# KiCad board Main.kicad_pcb (continued)
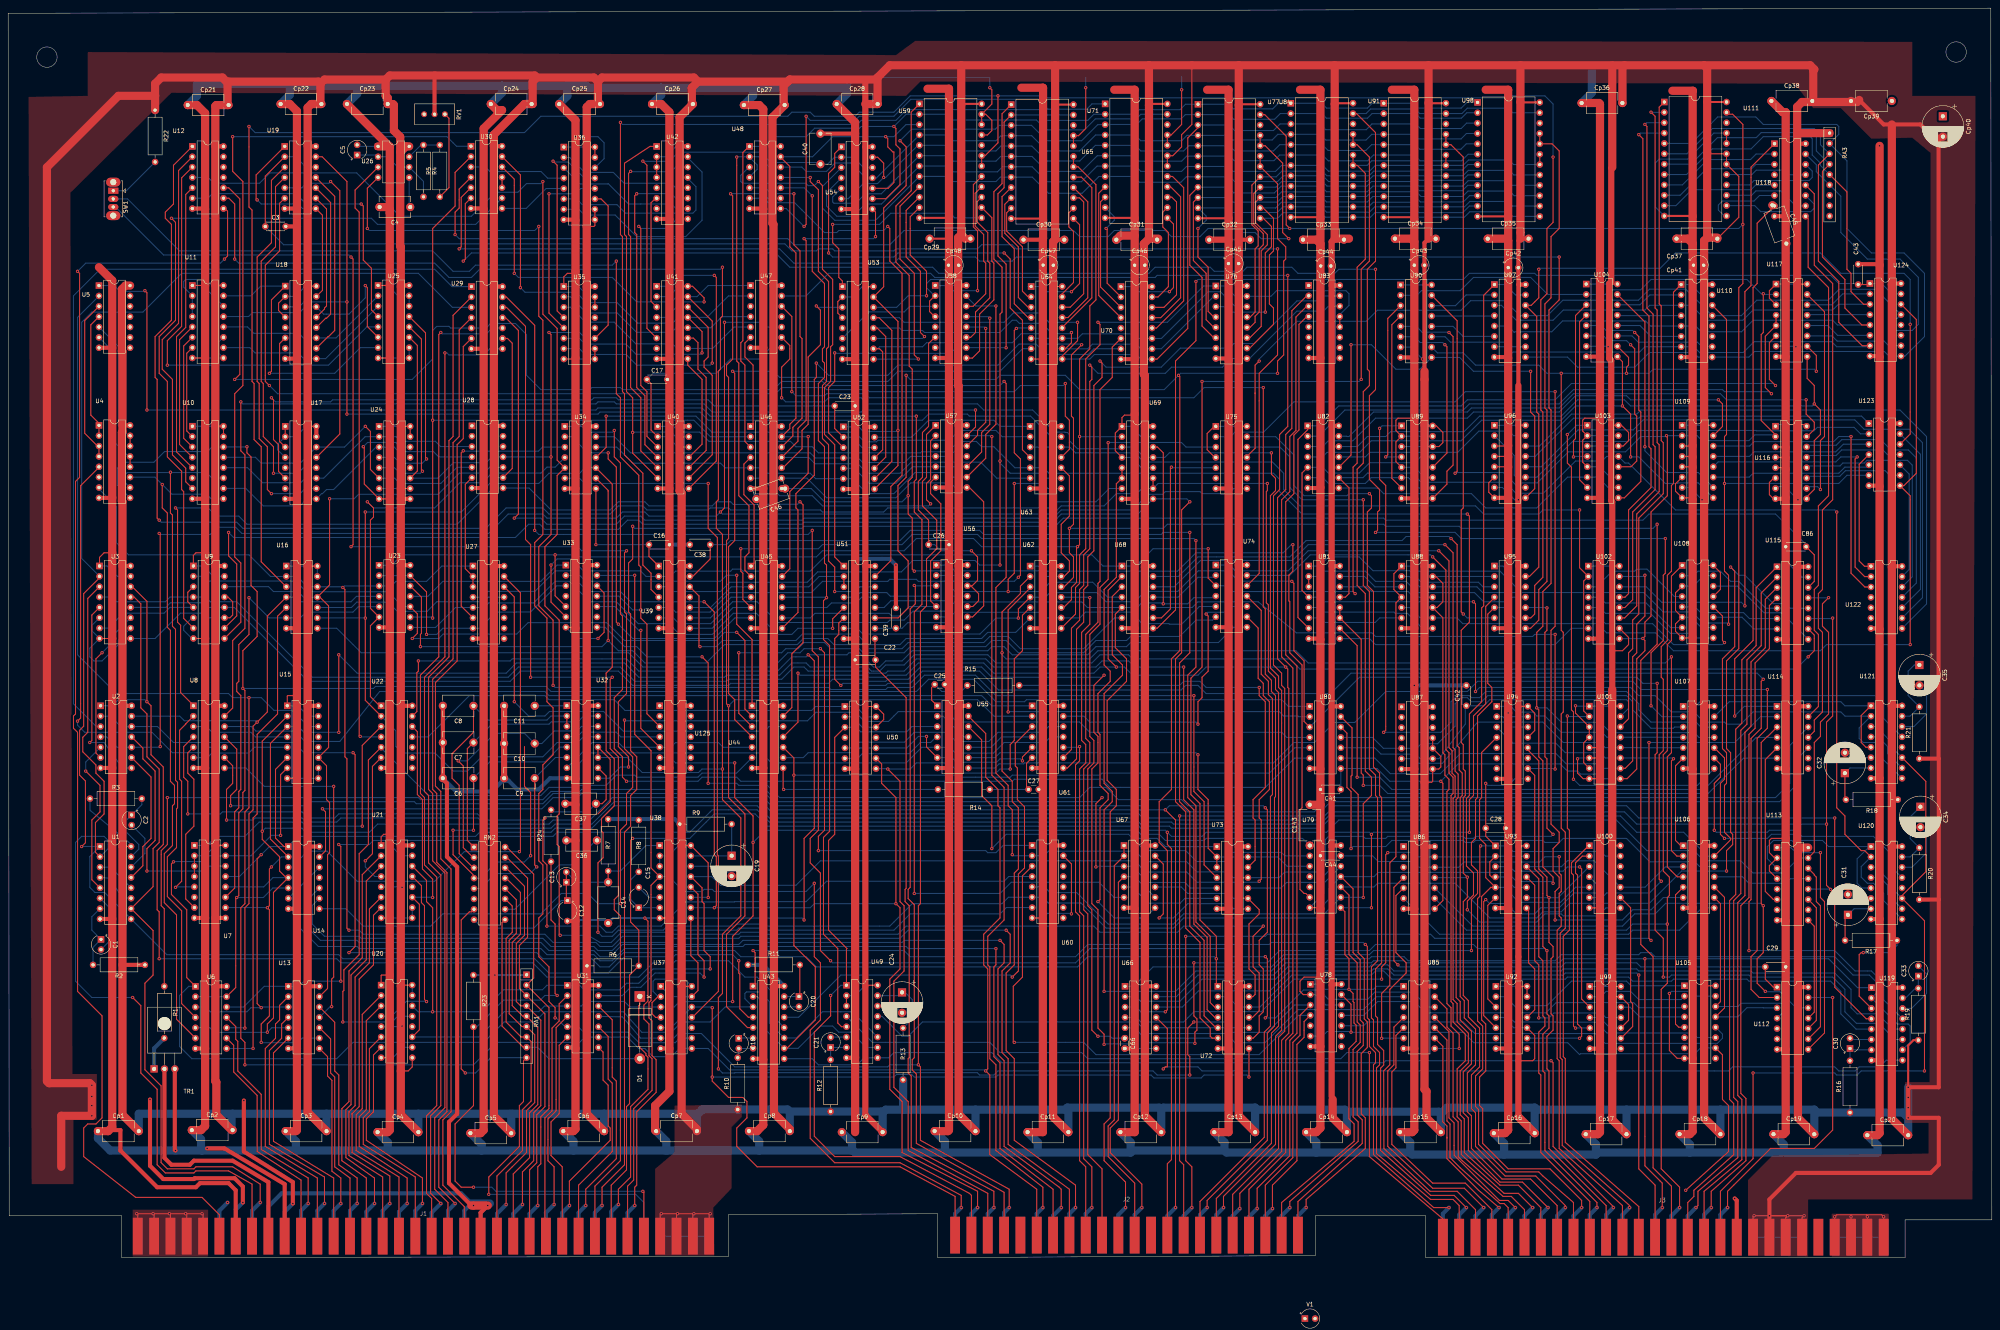
[diagram p0: board, top side]
## Routing (per net, layer and track width the routed paths; a pad name or vN(x,y) marks a point on that pad's centre or on a via; arc(x,y) is an arc through that point) (continued)
Net-(U27D-~{R}): length 99.5
  Top w0.25: U27.14 124,161.92 v1(124,136.25)
  Bottom w0.25: U44.12 186.41,130.16 185.28,129.03 150.72,129.03 145.88,133.87 132.62,133.87 131.5,132.75 127.5,132.75 v1(124,136.25)
Net-(U27D-~{S}): length 140.7
  Top w0.25: v1(125.25,99.5) 125.5,99.75 125.5,162.96 U27.15
  Bottom w0.25: v1(125.25,99.5) 125.25,99.5 111.75,99.5 104.5,92.25 85.5,92.25 78.12,99.62 73.38,99.62 70.5,96.75 70.5,89.92 U14.6
Net-(U28-Pad8): length 132.1
  Top w0.25: U44.13 192,134.83 192,148 194.75,150.75 194.75,184.5 v1(194,185.25)
  Bottom w0.25: U28.8 127.62,188.63 133,183.25 147.5,183.25 149.5,185.25 156,185.25 157,184.25 172.5,184.25 173.5,185.25 177,185.25 177.65,184.6 183.86,184.6 183.92,184.66 193.41,184.66 v1(194,185.25)
Net-(U29-Pad13): length 410.8
  Top w0.25: v1(308,73.75) 308.5,73.25 308.5,59.25 v1(308,58.75) ; v1(129,178.25) 129,228.5 122.04,235.46 U29.13 ; v1(197,178.25) 197,148.75 198.5,147.25 198.5,104.75 196.5,102.75 196.5,96.75 199,94.25 199,75.25 v1(201.5,72.75)
  Bottom w0.25: v1(308,58.75) 310.5,58.75 317.32,65.57 321.18,65.57 323.43,63.32 333.07,63.32 334.82,65.07 344.18,65.07 347.84,61.41 U85.12 ; v1(308,73.75) 300,73.75 298,75.75 265,75.75 261.5,72.25 202,72.25 v1(201.5,72.75) ; v1(197,178.25) 196,177.25 130,177.25 v1(129,178.25)
Net-(U30-Pad10): length 2.5
  Top w0.25: U30.11 U30.10
Net-(U32A-Q): length 23.7
  Bottom w0.25: U32.4 139.41,127.66 140.53,128.78 148.97,128.78 150.12,127.63 U125.4
Net-(U32A-~{R}): length 7.9
  Bottom w0.25: C11.1 136.85,135.25 U32.1
Net-(U32B-Q): length 93.1
  Top w0.25: U125.5 155,129.72 v1(155,153.75)
  Bottom w0.25: v1(155,153.75) 154.5,153.75 148.67,159.58 U33.10 ; U32.7 143.09,126.25 149.5,126.25 150.66,125.09 U125.5 162.34,125.09 163.47,126.22 174.03,126.22 175.17,125.08 U44.5
Net-(U32C-~{R}): length 24.1
  Top w0.25: C37.1 145.5,111.25 146.5,112.25 146.5,118.04 U32.10
  Bottom w0.25: 144,110.75 C37.1 142,109.25 133.5,109.25 R24.2
Net-(U32C-~{S1}): length 539.8
  Top w0.25: v1(290.5,57.75) 289,56.25 289,49.75 289.5,49.25 v1(289.5,44.75) ; v1(175,242.75) 175,230.75 174.5,230.25 174.5,217.75 174,217.25 174,185.75 173.5,185.25 173.5,178.75 175,177.25 v1(175,119.75) 175,112.25 179.5,107.75 179.5,83.75 175,79.25 175,64.75 174,63.75 v1(174,46.25) ; U12.9 54.08,259.67 55.5,258.25 v1(55.5,244.75) ; U32.11 U32.12 147.5,122.12 147.5,111.75 144.5,108.75
  Bottom w0.25: v1(174,46.25) 175,45.25 178,45.25 178.07,45.32 237.43,45.32 238,44.75 241.5,44.75 242.5,45.75 280.5,45.75 281.5,44.75 v1(289.5,44.75) ; v1(175,119.75) 170,119.75 169.13,118.88 155.37,118.88 151.67,122.58 U32.11 ; v1(55.5,244.75) 56.5,243.75 104.5,243.75 108,240.25 113.5,240.25 115.5,242.25 174.5,242.25 v1(175,242.75) ; v1(290.5,57.75) 290.5,57.75 298.5,57.75 299.92,56.33 U72.10
Net-(U32D-Q): length 201.8
  Top w0.25: U28.9 123.5,193.42 123.5,224.12 122.32,225.3 U29.9 ; U22.2 87.5,136.59 v1(87.5,156.75) v1(87.5,182.75)
  Bottom w0.25: U22.2 95,129.09 95,125.25 96.57,123.68 104.57,123.68 109,119.25 112.5,119.25 116,122.75 131,122.75 134.5,126.25 139.5,126.25 140.91,127.66 U32.13 ; U16.9 87.45,156.8 v1(87.5,156.75) ; U28.9 119.42,191.17 111,182.75 v1(87.5,182.75)
Net-(U33A-~{R}): length 41.3
  Bottom w0.25: U33.1 134.49,169.74 130.5,165.75 106.5,165.75 102.83,162.08 U23.11
Net-(U33B-~{Q}): length 261.4
  Top w0.25: v1(171.5,116.25) 171.5,145.75 v1(170,147.25) ; v1(308,110.25) 308.5,109.75 308.5,79.75 306.5,77.75 306.5,71.75 307.5,70.75 307.5,60.25 306.5,59.25 306.5,55.25 305.04,53.79 U72.9
  Bottom w0.25: U33.8 146.25,154.5 151,149.75 154,149.75 156.5,147.25 v1(170,147.25) ; v1(171.5,116.25) 178.5,116.25 179,115.75 186,115.75 189,112.75 262.5,112.75 265,115.25 269,115.25 272,112.25 287.5,112.25 289,110.75 307.5,110.75 v1(308,110.25)
Net-(U34-Pad1): length 274
  Top w0.25: v1(151.5,116.75) 150.5,117.75 150.5,122.75 148.5,124.75 148.5,137.25 150.5,139.25 150.5,157.25 150,157.75 150,194.75 148.5,196.25 v1(148.5,202.75)
  Bottom w0.25: v1(151.5,116.75) 169,116.75 170,117.75 178.5,117.75 179.5,116.75 246,116.75 246.5,117.25 268,117.25 270,115.25 308,115.25 315.17,122.42 U80.6 ; U34.1 140.51,203.74 141.93,202.32 148.07,202.32 v1(148.5,202.75)
Net-(U34-Pad11): length 119.4
  Top w0.25: U34.11 146.5,198.62 v1(146.5,206.25)
  Bottom w0.25: U63.2 243.54,201.21 242,202.75 233,202.75 230.58,200.34 213.1,200.34 212.72,199.96 209.79,199.96 207.43,202.32 172.43,202.32 168.5,206.25 v1(146.5,206.25)
Net-(U35-DOWN): length 51.4
  Top w0.25: U35.4 134.5,232.04 134.5,267.75 v1(133.5,268.75)
  Bottom w0.25: v1(133.5,268.75) 133.72,268.53 137.22,268.53 141.17,264.58 U36.13
Net-(U35-QA): length 52.1
  Bottom w0.25: U35.3 137.8,232.95 141.47,229.28 148.47,229.28 153.78,223.97 162.78,223.97 163.91,222.84 U41.10 172.59,222.84 177.84,228.09 U47.5
Net-(U35-QB): length 50.9
  Bottom w0.25: U47.4 174.88,230.63 172.17,227.92 U41.12 163.67,227.92 162.54,226.8 153.96,226.8 149.22,231.53 141.72,231.53 137.76,235.49 U35.2
Net-(U35-QC): length 142.5
  Top w0.25: v1(125.5,237.75) 125.5,265.37 U30.13 ; v1(170,221.75) 170,226.96 U41.13
  Bottom w0.25: v1(170,221.75) 169.68,221.43 153.82,221.43 151.34,223.92 141.34,223.92 139.92,225.33 U35.6 ; v1(125.5,237.75) 126.63,236.62 139.13,236.62 141.68,234.07 149.18,234.07 154.21,229.05 162.79,229.05 164.21,230.46 U41.13 171.21,230.46 176.46,235.71 U47.2
Net-(U35-QD): length 146.8
  Top w0.25: U30.12 124,264.33 v1(124,241.25) ; U41.15 172.5,229.54 v1(172.5,219.25)
  Bottom w0.25: U47.1 171.5,238.25 168.79,235.54 U41.15 163.79,235.54 162.5,234.25 154,234.25 148,240.25 125,240.25 v1(124,241.25) ; v1(172.5,219.25) 172,218.75 154,218.75 151.38,221.38 141.38,221.38 139.96,222.79 U35.7
Net-(U35-UP): length 46.2
  Top w0.25: v1(132.5,260.75) 132.5,231.5 U35.5
  Bottom w0.25: v1(132.5,260.75) 139,260.75 140.29,262.04 U36.12
Net-(U36-DOWN): length 23.9
  Bottom w0.25: U30.3 116.92,267.33 118.04,266.2 130.54,266.2 132.17,264.58 U36.4
Net-(U36-QA): length 34.3
  Bottom w0.25: 166.25,257.13 163.62,257.13 162.5,258.25 155,258.25 155,258.25 152,258.25 147,263.25 146.91,263.17 140.09,263.17 U36.3
Net-(U36-QB): length 33.2
  Bottom w0.25: U36.2 137.59,269.66 141.25,266 148.25,266 150.91,263.33 162.41,263.33 163.54,262.21 166.25,262.21
Net-(U36-QC): length 43.1
  Bottom w0.25: U36.6 139.25,259.5 140.66,258.08 149.16,258.08 151.25,256 167.75,256 168.5,256.75 168.5,262.5 166.25,264.75
Net-(U36-QD): length 55.4
  Bottom w0.25: 166.25,269.83 170,266.08 170,254.25 166,250.25 154,250.25 148.71,255.55 141.21,255.55 139.79,256.96 U36.7
Net-(U36-UP): length 17.1
  Bottom w0.25: U30.8 126.92,257.17 131.79,262.04 U36.5
Net-(U37A-~{R}): length 351.5
  Top w0.25: U22.13 100.12,133.84 100.12,143.38 100.5,143.75 v1(100.5,146.25) ; v1(196,147.75) 197.5,146.25 197.5,105.25 195,102.75 v1(195,82.75) ; U38.9 167.25,74 169,72.25 169,65.46 U37.13
  Bottom w0.25: v1(100.5,146.25) 123,146.25 123.5,146.75 151.5,146.75 154.5,143.75 188.5,143.75 192,147.25 195.5,147.25 v1(196,147.75) 205.5,147.75 206,148.25 208.5,148.25 212,144.75 213.5,144.75 215,146.25 219,146.25 221.5,148.75 240,148.75 241,149.75 244,149.75 246,147.75 264.5,147.75 266.5,149.75 274,149.75 275,150.75 296.5,150.75 300.26,154.51 U74.8 ; v1(195,82.75) 194.53,83.22 U38.9 ; U37.13 162.42,63.96 U37.1
Net-(U38A-Cext): length 11
  Bottom w0.25: U38.14 174.83,95.92 C19.2
Net-(U38A-RCext): length 17.8
  Bottom w0.25: U38.15 177.21,98.46 C19.1 R9.2
Net-(U38B-Cext): length 6.1
  Bottom w0.25: C15.2 156.95,88.3 U38.6
Net-(U38B-RCext): length 15.2
  Bottom w0.25: U38.7 154.51,85.76 C15.1 152.5,87.75 152.5,92.55 154.25,94.3
Net-(U38B-~{Q}): length 52
  Top w0.25: U38.12 169,89.09 169,74.25 170.5,72.75 v1(170.5,68.75)
  Bottom w0.25: U31.13 150.45,64.2 152.5,66.25 155,66.25 158.5,69.75 169.5,69.75 v1(170.5,68.75)
Net-(U39A-CP): length 33
  Top w0.25: U39.1 157,171.88 C16.1 ; U34.8 v1(144,174.75)
  Bottom w0.25: C16.1 v1(144,174.75)
Net-(U39B-MR): length 101.6
  Top w0.25: U39.12 169.25,162.17 169.25,150 v1(169.5,149.75)
  Bottom w0.25: v1(169.5,149.75) 173.5,149.75 175,151.25 193,151.25 194.59,152.84 207.91,152.84 210.5,150.25 218.5,150.25 220,151.75 238.5,151.75 240,153.25 246.84,153.25 U62.6
Net-(U39B-Q1): length 17.1
  Bottom w0.25: U39.10 172.09,159.34 177.16,164.41 U45.3
Net-(U39B-Q2): length 17.1
  Bottom w0.25: U39.9 172.05,156.8 177.12,161.87 U45.4
Net-(U39B-Q3): length 264.8
  Top w0.25: v1(179.5,173.75) 179.5,168.25 180,167.75 180,161.33 U45.5 ; U72.3 295.59,61.41 294.5,62.5 294.5,78.75 291,82.25 291,110.75 289,112.75 289,142.75 291,144.75 v1(291,175.75)
  Bottom w0.25: U45.5 177.58,159.33 172.51,154.26 U39.8 ; v1(291,175.75) 290.5,176.25 238.5,176.25 237.5,177.25 221.5,177.25 219,174.75 199.5,174.75 198.5,173.75 v1(179.5,173.75)
Net-(U40A-MR): length 60
  Top w0.25: U40.2 157.5,202.84 157.5,214.25 C17.1
  Bottom w0.25: U40.2 161.54,201.21 164.08,198.67 U40.12 ; C17.1 158,216.75 173.5,216.75 177,220.25 184,220.25 186.76,223.01 U47.8
Net-(U40A-Q0): length 68.9
  Top w0.25: v1(154.5,252.75) 155,252.25 155,213.75 156.5,212.25 156.5,201.3 U40.3
  Bottom w0.25: v1(154.5,252.75) 155,252.25 161.5,252.25 163.84,254.59 166.25,254.59
Net-(U40A-Q1): length 79.9
  Top w0.25: v1(154,260.75) 153.5,260.25 153.5,251.25 154,250.75 154,213.25 156,211.25 156,199.26 U40.4
  Bottom w0.25: 166.25,259.67 163.58,259.67 162.46,260.8 154.04,260.8 v1(154,260.75)
Net-(U40A-Q2): length 90.1
  Top w0.25: U40.5 155,197.72 155,210.75 152.5,213.25 152.5,250.25 152,250.75 152,265.75 v1(152.5,266.25)
  Bottom w0.25: 166.25,267.29 163.54,267.29 162.41,266.17 152.59,266.17 v1(152.5,266.25)
Net-(U40A-Q3): length 103.7
  Top w0.25: 158.63,272.37 157.25,272.37 151,268.25 151,250.75 151.5,250.25 151.5,212.25 153,210.75 v1(153,202.25) 153,197.18 U40.6
  Bottom w0.25: v1(153,202.25) 153.09,202.34 162.41,202.34 163.54,201.21 U40.13
Net-(U40B-Q0): length 27
  Top w0.25: U40.11 170,199.38 170,215.25 166.5,218.75 U41.9
Net-(U40B-Q1): length 36.2
  Top w0.25: U40.10 171,197.84 171,215.75 169,217.75 169,224.25 167.87,225.38 U41.11
Net-(U40B-Q2): length 47.6
  Top w0.25: U41.14 171.5,228 171.5,220.75 170.5,219.75 170.5,218.25 172.5,216.25 172.5,196.8 U40.9
Net-(U40B-Q3): length 70.5
  Top w0.25: v1(173,240.75) 173.5,240.25 173.5,195.26 U40.8
  Bottom w0.25: U41.1 161.83,238.08 164.5,240.75 v1(173,240.75)
Net-(U41-Ia=b): length 27.7
  Top w0.25: 158.63,259.67 157.5,258.54 157.5,234.38 U41.3
Net-(U43A-Cext): length 3.7
  Bottom w0.25: U43.14 193.7,61.45 C20.2
Net-(U43A-Q): length 125.7
  Top w0.25: U61.3 246.75,126.03 246.75,120.5 247.25,120 247.25,112.25 249,110.5 249,95.5 247.5,94 247.5,70.25 v1(246,68.75)
  Bottom w0.25: v1(246,68.75) 245.5,69.25 204,69.25 193.66,58.91 U43.13
Net-(U43A-RCext): length 11.5
  Top w0.25: C20.1 193.95,64.2 R11.2
  Bottom w0.25: C20.1 193.74,63.99 U43.15
Net-(U43B-Cext): length 3.5
  Bottom w0.25: U43.6 179.08,53.83 C18.1
Net-(U43B-Q): length 302.1
  Top w0.25: v1(177,260.75) 177.5,260.25 177.5,220.25 176,218.75 176,216.25 176.5,215.75 176.5,176.25 176,175.75 176,135.75 v1(176.5,135.25) 176.5,112.75 180.5,108.75 180.5,83.75 176,79.25 176,61.5 181.13,56.37 U43.5
  Bottom w0.25: v1(177,260.75) 177.04,260.8 184.96,260.8 186.08,259.67 189.12,259.67 ; v1(176.5,135.25) 178,136.75 237.5,136.75 241.55,132.7 U61.2
Net-(U43B-RCext): length 5.9
  Bottom w0.25: R10.2 179,49.25 C18.2 182.46,51.25 U43.7
Net-(U44-Pad3): length 144.5
  Top w0.25: v1(179,148.25) 179,133.41 U44.3
  Bottom w0.25: v1(179,148.25) 189.5,148.25 190.5,149.25 193.5,149.25 195,150.75 200,150.75 201.5,149.25 208.5,149.25 209.5,148.25 219.5,148.25 221,149.75 239.5,149.75 241,151.25 244.5,151.25 247.5,148.25 263.5,148.25 266.5,151.25 274,151.25 275,152.25 287,152.25 291,156.25 295.08,156.25 U74.6
Net-(U45-Pad1): length 28.7
  Top w0.25: U45.1 182.75,170.24 182.75,184.5 180.25,187 180.25,194.49 U46.4
Net-(U45-Pad9): length 74.3
  Top w0.25: U57.6 226,190.05 226,187.25 228.5,184.75 228.5,173.25 226,170.75 226,160.96 U56.5
  Bottom w0.25: U45.9 196.54,156.79 197.66,157.91 215.84,157.91 216.5,157.25 218.5,157.25 220.83,159.58 U56.5
Net-(U46-Pad1): length 23.5
  Top w0.25: U46.1 182.5,204.36 182.5,218.75 180.5,220.75 180.5,224.17 U47.6
Net-(U46-Pad6): length 65.2
  Top w0.25: U57.2 226,200.21 226,190.75 225,189.75 225,185.75 v1(226,184.75)
  Bottom w0.25: v1(226,184.75) 225.5,184.25 199.5,184.25 197,186.75 189,186.75 184.71,191.04 U46.6
Net-(U46-Pad9): length 85.5
  Top w0.25: U57.8 235.49,188.76 239,185.25 239,159.75 236.29,157.04 U56.9
  Bottom w0.25: U57.8 231.99,188.76 230.87,189.88 221.13,189.88 217.5,186.25 200.5,186.25 195.71,191.04 U46.9
Net-(U46-Pad12): length 76.6
  Top w0.25: v1(192.5,260.75) 192.5,248.25 194,246.75 194,225.75 194.5,225.25 194.5,205.75 192.25,203.5 192.25,201.41 U46.12
  Bottom w0.25: v1(192.5,260.75) 192.46,260.8 186.96,260.8 185.54,262.21 181.5,262.21
Net-(U49A-Cext): length 6.7
  Bottom w0.25: U49.14 217.33,61.67 C24.2
Net-(U49A-Q): length 139.1
  Bottom w0.25: U49.13 214.12,59.13 219,54.25 220.5,54.25 224,57.75 270,57.75 270,57.75 276.5,57.75 279.33,54.92 298.33,54.92 300.58,52.67 307.92,52.67 316.04,60.79 332.04,60.79 335.2,63.95 U85.2
Net-(U49A-RCext): length 17.5
  Bottom w0.25: U49.15 218.21,64.21 C24.1 219.75,65 221.5,63.25 221.5,58.5 R13.2
Net-(U49B-Cext): length 3.9
  Bottom w0.25: U49.6 201.55,54.05 C21.2
Net-(U49B-RCext): length 6.9
  Bottom w0.25: U49.7 201.51,51.51 C21.1 R12.2
Net-(U50A-Q): length 57.5
  Bottom w0.25: U61.12 254.91,130.16 253.5,128.75 242.5,128.75 240.25,126.5 232.25,126.5 230,128.75 222,128.75 219.58,126.34 208.59,126.34 207.17,124.92 U50.5
Net-(U50A-~{Q}): length 24.8
  Bottom w0.25: U50.6 208.13,122.38 209.25,123.5 220.75,123.5 223.5,126.25 226,126.25 227.37,127.62 U55.4
Net-(U50A-~{R}): length 120.8
  Bottom w0.25: U50.13 210.21,132.54 207.67,135.08 U50.1 197.83,135.08 196.87,134.12 151.13,134.12 148.5,136.75 132.5,136.75 131.5,137.75 113,137.75 102.88,127.63 U22.11
Net-(U50B-~{S}): length 69.8
  Top w0.25: U61.5 248.5,122.7 v1(248.5,121.75) ; U55.6 225,125.17 v1(225,127.75)
  Bottom w0.25: U55.6 231.21,122.54 232.33,121.41 242.17,121.41 243,122.25 248,122.25 v1(248.5,121.75) ; U44.9 194.79,122.54 196,123.75 207.5,123.75 208.67,124.92 U50.10 220.17,124.92 223,127.75 v1(225,127.75)
Net-(U51A-Q): length 23.5
  Bottom w0.25: U56.4 216.13,162.12 215.25,163 208.75,163 207.62,161.87 U51.4
Net-(U51A-~{R}): length 122.7
  Top w0.25: U51.1 202.5,171.74 202.5,199.25 200,201.75 200,213.25 201.5,214.75 201.5,223.25 202,223.75 202,239.75 199.5,242.25 199.5,262.75 v1(198.5,263.75)
  Bottom w0.25: v1(198.5,263.75) 197.5,262.75 196,262.75 195.41,263.33 179.91,263.33 179.5,263.75 179.5,265.29 181.5,267.29
Net-(U51A-~{S1}): length 18.7
  Top w0.25: U51.2 U51.3
  Bottom w0.25: U51.2 198.7,166.95 196.16,164.41 U45.12
Net-(U51C-~{R}): length 23.7
  Bottom w0.25: U51.10 C39.1 219,154.25 220.38,155.62 230.12,155.62 231.25,154.5 U56.8
Net-(U51C-~{S1}): length 389.2
  Top w0.25: v1(311,216.75) 311,219.75 312.5,221.25 312.5,244.25 313,244.75 313,247.75 311,249.75 311,263.19 U77.18 U77.19 ; v1(283.5,60.25) 284,60.75 284,99.75 282,101.75 282,111.75 285,114.75 285,146.75 287.05,148.8 287.05,215.92 v1(286.72,216.25) ; U51.11 218.04,156.79 220.5,159.25 220.5,170.75 218,173.25 218,189.25 220,191.25 v1(220,216.25)
  Bottom w0.25: U66.3 276.34,61.41 277.5,60.25 v1(283.5,60.25) ; v1(220,216.25) 221,215.25 242,215.25 243,216.25 259,216.25 262.5,212.75 283.22,212.75 v1(286.72,216.25) 287.22,216.75 v1(311,216.75)
Net-(U51C-~{S2}): length 23.8
  Bottom w0.25: U56.11 231.37,162.12 230.25,161 216.25,161 214.58,159.33 U51.12
Net-(U51D-Q): length 23.8
  Bottom w0.25: U45.10 200.58,159.33 201.71,160.46 207.71,160.46 209.12,161.87 U51.13
Net-(U51D-~{R}): length 123
  Top w0.25: v1(196.5,264.75) 196.5,263.75 198.5,261.75 198.5,241.75 201,239.25 201,223.25 200.5,222.75 200.5,214.75 199.5,213.75 199.5,200.75 201,199.25 201,170.75 202.5,169.25 v1(202.5,163.25)
  Bottom w0.25: 189.12,264.75 v1(196.5,264.75) ; v1(202.5,163.25) 207.5,163.25 208.66,164.41 U51.14
Net-(U51D-~{S}): length 128.1
  Top w0.25: U51.15 216.25,170.83 216.25,189 219,191.75 219,241.25 216,244.25 216,252.25 v1(215.5,252.75)
  Bottom w0.25: v1(215.5,252.75) 214.5,251.75 203.5,251.75 203,251.25 200,251.25 192.71,258.55 186.21,258.55 185.08,259.67 181.5,259.67
Net-(U52A-CP): length 258.4
  Top w0.25: U52.8 218,194.13 v1(218,202.75) 218,229.46 U53.15 214.5,237.96 214.5,257.25 220,262.75 220,272.25 v1(218.5,273.75)
  Bottom w0.25: U52.1 208.38,203.62 209.5,202.5 212.72,202.5 212.72,202.5 217.75,202.5 v1(218,202.75) ; v1(218.5,273.75) 221.33,276.58 241.83,276.58 242.78,277.53 U65.3 250.72,277.53 254.5,273.75 263,273.75 266.95,277.7 U71.3 268.81,277.75 276.5,277.75 277.87,279.12 287.37,279.12 288.4,280.15 U77.2 299.1,280.15 300.23,279.02 310.27,279.02 311.66,280.41 U84.2 321.84,280.41 322.96,279.28 333.04,279.28 334.16,280.41 U91.2 344.84,280.41 345.96,279.28 356.04,279.28 357.36,280.61 U98.2
Net-(U52A-Q0): length 246.6
  Top w0.25: v1(244.5,223) 244.5,243.5 242.5,245.5 242.5,260.75 244,262.25 244,278.32 U65.2 ; U52.3 201,202.17 201,213.25 202.5,214.75 v1(202.5,221.75)
  Bottom w0.25: U65.2 253.18,280.07 254.5,278.75 264.5,278.75 265.99,280.24 U71.2 275.99,280.24 277.12,281.37 287.12,281.37 288.44,282.69 U77.1 299.06,282.69 300.19,281.56 309.81,281.56 311.2,282.95 U84.1 321.8,282.95 323,281.75 333,281.75 334.2,282.95 U91.1 344.3,282.95 345.5,281.75 356,281.75 357.4,283.15 U98.1 ; v1(202.5,221.75) 202.62,221.63 230.88,221.63 232.26,223.01 234.62,223.01 ; v1(244.5,223) 244.46,223.04 U58.10
Net-(U52A-Q1): length 130.9
  Top w0.25: U57.12 237.5,201.55 237.5,202.75 239.5,204.75 v1(239.5,227.75)
  Bottom w0.25: U34.13 148.55,201.2 152.5,197.25 196.5,197.25 197.75,196 U52.4 208.25,196 209.38,194.88 219.62,194.88 221.13,196.38 U57.4 230.63,196.38 233.17,198.92 U57.12 ; 234.62,228.09 239.16,228.09 v1(239.5,227.75)
Net-(U52A-Q2): length 78.2
  Top w0.25: v1(240.5,230.25) 240.5,204.25 238.5,202.25 238.5,197.47 U57.10
  Bottom w0.25: U52.5 207.29,193.46 210.96,189.79 217.55,189.79 221.59,193.84 U57.5 U57.10 ; 234.62,230.63 240.12,230.63 v1(240.5,230.25)
Net-(U52A-Q3): length 151.5
  Top w0.25: U57.9 239.5,195.93 239.5,201.75 242,204.25 v1(242,233.25)
  Bottom w0.25: v1(242,233.25) 237.08,233.25 234.62,235.71 ; U34.12 149.09,198.66 153.03,194.72 174.53,194.72 175.67,193.58 U46.5 184.67,193.58 186,192.25 196.5,192.25 197.83,190.92 U52.6 206.83,190.92 210.5,187.25 217,187.25 222.18,192.43 230.32,192.43 231.45,191.3 U57.9
Net-(U52B-CP): length 40.5
  Bottom w0.25: U63.1 243,203.75 241.5,205.25 225.5,205.25 221.33,201.08 U52.13
Net-(U52B-Q0): length 129.6
  Top w0.25: U53.10 213.49,222.76 214.25,222 214.25,198 U52.11
  Bottom w0.25: 303,233.08 300.67,233.08 297,236.75 294,236.75 282.55,225.3 U70.11 277.05,225.3 277,225.25 275.82,226.43 263.18,226.43 262.08,225.33 253.92,225.33 252.8,226.45 248.2,226.45 246,224.25 225,224.25 224,223.25 213.5,223.25 213,222.75 212.99,222.76 U53.10
Net-(U52B-Q1): length 139.2
  Top w0.25: v1(260.5,226.75) 260.5,224.25 259.04,222.79 257.5,222.79 ; U53.12 212.91,227.84 215,225.75 215,196.21 U52.10
  Bottom w0.25: v1(260.5,226.75) 260.2,226.45 255.8,226.45 253.25,229 247.75,229 247,229.75 246,229.75 243,226.75 224.5,226.75 224,227.25 219,227.25 218.41,227.84 U53.12 ; 257.5,222.79 259.96,222.79 260,222.75 264.5,222.75 265.63,223.88 276.37,223.88 277.49,222.76 U70.10 282.52,222.76 295.38,235.62
Net-(U52B-Q2): length 265.5
  Top w0.25: U53.13 213.37,230.38 216.5,227.25 216.5,195.17 U52.9 ; U70.9 281.47,220.22 289,227.75 289,274.43 291.5,276.93 U77.3 ; 257.5,220.25 262,224.75 v1(262,229.25)
  Bottom w0.25: U98.3 357.32,278.07 356,276.75 346,276.75 344.88,277.87 U91.3 334.12,277.87 332.7,276.45 322.8,276.45 321.38,277.87 U84.3 311.62,277.87 310,276.25 300.5,276.25 299.14,277.61 U77.3 ; U70.9 277.53,220.22 276.4,221.34 266.1,221.34 265,220.25 257.5,220.25 ; U53.13 218.37,230.38 219.5,229.25 244,229.25 246.29,231.53 252.71,231.53 255,229.25 v1(262,229.25)
Net-(U53-B0): length 57.1
  Top w0.25: v1(223,220.25) 222,221.25 222,241.25 218.5,244.75 218.5,257.71 U59.9
  Bottom w0.25: U53.9 222.97,220.22 v1(223,220.25)
Net-(U53-B1): length 50.1
  Top w0.25: U59.10 220,256.67 220,245.25 223.5,241.75 223.5,226.75 v1(224.5,225.75)
  Bottom w0.25: U53.11 224.05,225.3 v1(224.5,225.75)
Net-(U53-B2): length 38.4
  Top w0.25: v1(225,235.75) 225,241.75 221,245.75 221,255.13 U59.11
  Bottom w0.25: v1(225,235.75) 220.5,235.75 217.67,232.92 U53.14
Net-(U53-B3): length 54.3
  Top w0.25: U53.1 204.38,239.37 203.5,240.25 203.5,247.25 202,248.75 v1(202,253.25)
  Bottom w0.25: v1(202,253.25) 213.5,253.25 216.22,255.97 230.77,255.97 231.9,254.85 U59.13
Net-(U53-Ia=b): length 50.7
  Top w0.25: v1(198,233.25) 199,232.25 199,223.75 196,220.75 196,204.25 194.5,202.75 194.5,198.25 189.83,193.58 U46.10
  Bottom w0.25: v1(198,233.25) 198.33,232.92 U53.3
Net-(U53-Oa=b): length 25.9
  Bottom w0.25: 227,233.17 220.92,233.17 219.55,231.8 210.88,231.8 U53.6
Net-(U54A-CP): length 123.9
  Top w0.25: v1(244,246.25) 245.5,244.75 245.5,232.75 248.5,229.75 248.5,198.01 U63.4 ; v1(201,246.25) 201,265.75 202.5,267.25 202.5,270.62 U54.1
  Bottom w0.25: v1(201,246.25) 202,245.25 217,245.25 218,246.25 v1(244,246.25)
Net-(U54A-Q0): length 186.7
  Bottom w0.25: U98.8 357.62,265.37 356.3,264.05 345.7,264.05 344.58,265.17 U91.8 334.42,265.17 333,263.75 323.5,263.75 323.5,263.75 322.08,265.17 U84.8 312.42,265.17 311,263.75 300.5,263.75 299.34,264.91 U77.8 288.66,264.91 287.33,263.58 277.17,263.58 275.75,265 U71.8 267.25,265 263.12,260.88 254.88,260.88 250.92,264.83 U65.8 243.08,264.83 242,263.75 231.5,263.75 230.24,265.01 U59.8 212.5,254.25 202.5,254.25 199.5,257.25 199.5,262.54 U54.3
Net-(U54A-Q1): length 182.6
  Bottom w0.25: U98.7 357.66,267.91 356.33,266.58 345.67,266.58 344.54,267.71 U91.7 334.96,267.71 333.55,266.3 323.55,266.3 323.5,266.25 322.04,267.71 U84.7 311.96,267.71 310.5,266.25 300,266.25 298.8,267.45 U77.7 288.7,267.45 287.5,266.25 277.5,266.25 276.21,267.54 U71.7 266.79,267.54 262.95,263.7 254.55,263.7 250.88,267.37 U65.7 243.62,267.37 242.38,266.13 231.62,266.13 230.2,267.55 U59.7 213.96,258.25 210,258.25 207,255.25 203,255.25 200.5,257.75 200.5,261 U54.4
Net-(U54A-Q2): length 175.9
  Bottom w0.25: U54.5 202,259.96 202,258.75 202.32,258.43 207.68,258.43 210,260.75 213.92,260.75 U59.6 230.16,270.09 231.5,268.75 242,268.75 243.16,269.91 U65.6 250.84,269.91 254.5,266.25 263,266.25 266.83,270.08 U71.6 275.67,270.08 277,268.75 287.5,268.75 288.74,269.99 U77.6 299.26,269.99 300.38,268.87 310.12,268.87 311.5,270.25 U84.6 322,270.25 323.42,268.83 333.08,268.83 334.5,270.25 U91.6 344.5,270.25 345.92,268.83 356.08,268.83 357.7,270.45 U98.6
Net-(U54A-Q3): length 176.8
  Top w0.25: v1(214.5,264.75) 214.5,268.25 213.04,269.71 U54.13
  Bottom w0.25: U98.5 357.24,272.99 355.92,271.67 345.83,271.67 344.71,272.79 U91.5 334.04,272.79 332.62,271.38 323.38,271.38 321.96,272.79 U84.5 311.54,272.79 310,271.25 300.5,271.25 299.22,272.53 U77.5 289.28,272.53 288,271.25 277.5,271.25 276.13,272.62 U71.5 266.37,272.62 262.54,268.78 254.46,268.78 250.8,272.45 U65.5 243.2,272.45 242,271.25 231.5,271.25 230.12,272.63 U59.5 222.88,272.63 215,264.75 v1(214.5,264.75) 213,263.25 209.5,263.25 205.8,259.55 U54.6
Net-(U54B-Q0): length 310.2
  Top w0.25: U45.2 180.5,168.45 180.5,171.75 181.5,172.75 181.5,184.25 179,186.75 179,219.25 178.5,219.75 v1(178.5,269.75)
  Bottom w0.25: U98.4 357.28,275.53 355.95,274.2 345.55,274.2 344.42,275.33 U91.4 334.08,275.33 332.67,273.92 322.83,273.92 321.42,275.33 U84.4 311.08,275.33 309.69,273.94 299.81,273.94 298.68,275.07 U77.4 288.82,275.07 287.5,273.75 277.5,273.75 276.09,275.16 U71.4 266.41,275.16 262.5,271.25 254.5,271.25 250.76,274.99 U65.4 243.24,274.99 242,273.75 231.5,273.75 231.5,273.75 230.08,275.17 U59.4 212.72,264.63 U54.11 210.12,264.63 206.46,268.3 202.54,268.3 200.5,266.25 195.5,266.25 194.46,267.29 186.46,267.29 183.92,269.83 181.5,269.83 ; 181.5,269.83 183.5,267.83 183.5,266.75 181.5,264.75 ; 181.5,269.83 178.58,269.83 v1(178.5,269.75)
Net-(U54B-Q1): length 170.6
  Top w0.25: v1(196,201.25) 196,192.25 191.5,187.75 191.5,168.83 U45.13 ; v1(215,274.75) 215.5,274.25 215.5,272.25 216.75,271 217,271 217,263.5 215.59,262.09 U54.10 ; U46.13 191.5,203.2 191.5,204.25 193,205.75 193,246.25 191.5,247.75 191.5,267.45 189.12,269.83
  Bottom w0.25: U46.13 195.95,201.2 v1(196,201.25) ; U59.3 219.96,277.71 217,274.75 v1(215,274.75) 202,274.75 197.08,269.83 189.12,269.83
Net-(U54B-Q2): length 207.5
  Top w0.25: v1(217,277.25) 217.5,276.75 217.5,272.75 218.5,271.75 218.5,263 215.05,259.55 U54.9 ; 181.5,272.37 180,270.87 180,224.75 179.5,224.25 179.5,219.75 180.5,218.75 180.5,200.04 U46.3
  Bottom w0.25: 181.5,272.37 185.62,272.37 188,274.75 195.5,274.75 197.57,276.82 208.57,276.82 209,277.25 v1(217,277.25) 220,280.25 U59.2 230,280.25 231.42,278.83 251.92,278.83 254.35,276.4 263.65,276.4 266.37,279.12 276.37,279.12 277.49,280.24 U71.23
Net-(U54B-Q3): length 146.3
  Top w0.25: U46.11 193.5,200.12 193.5,203.25 195.5,205.25 195.5,249.25 v1(195,249.75) ; v1(212.5,250.25) 212.5,256.26 U54.8